# Altium PCB 4G_V4.2_5X4.PcbDoc (part 4 of 5)
Units mm, origin at the board's own origin, x right, y up, seen from the top; angles counter-clockwise.
Board outline 35.5 x 48 mm, 2 copper layers (Top Layer, Bottom Layer); 800 components, 0 nets, 5412 pads, 900 vias.
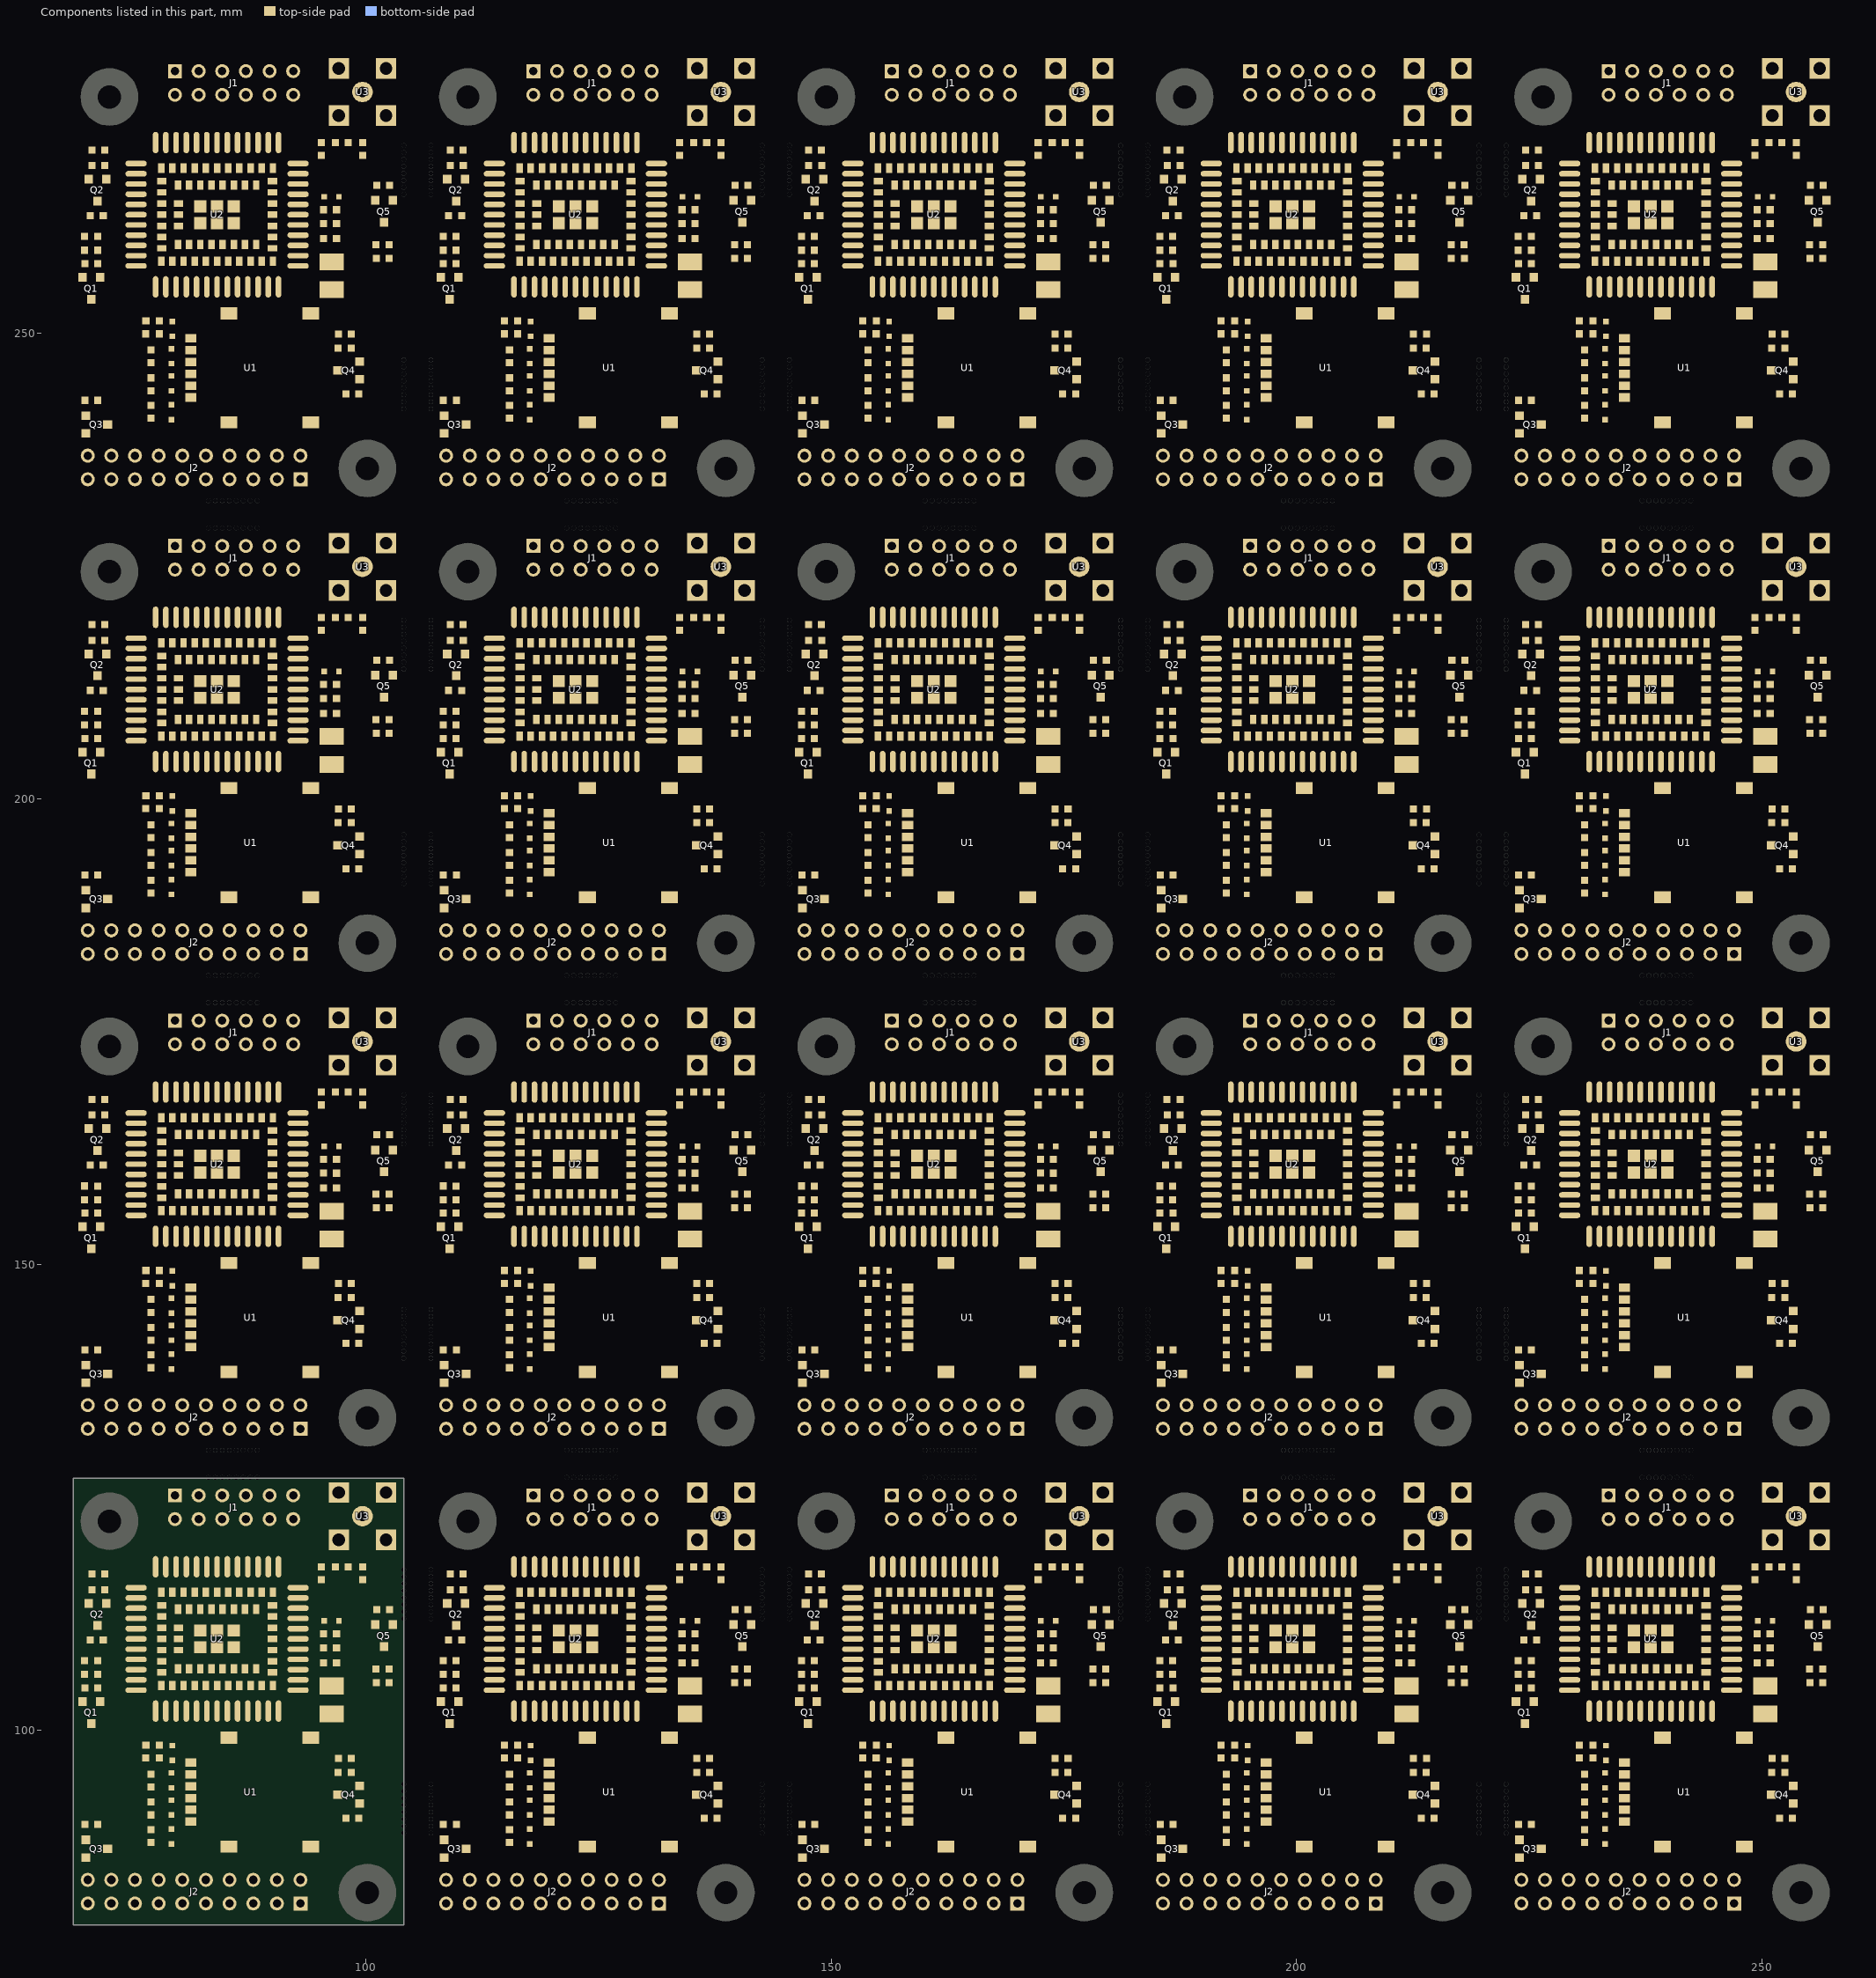
[diagram p4: the components of this part, seen from the top]

## Via types
v1: diameter 0.5, hole 0.3, Top Layer to Bottom Layer, tented both sides, 900 vias

## Nets (pads, with @x,y where several pads share a name; then routed paths per layer and width w, separated by ;. In a path a pad name is that pad's centre, name@x,y a point inside that pad or via, vN(x,y) a via of type N, cw(c..) or ccw(c..) an arc to the next point about the centre after c; other vN are vias at no path point) (continued)
copper on no net: (continued)
  Top Layer w0.3: 69.814,104.499 69.802,104.511 69.802,105.948 69.802,107.421 69.139,108.084 69.139,114.538 69.659,115.059 70.574,115.059 70.574,116.724 70.574,117.497 70.917,117.84 74.93,117.84 76.225,119.136 78.257,119.136 78.523,118.87 78.523,117.513 ; 69.814,155.499 69.802,155.511 69.802,156.948 69.802,158.421 69.139,159.084 69.139,165.538 69.659,166.059 70.574,166.059 70.574,167.724 70.574,168.497 70.917,168.84 74.93,168.84 76.225,170.136 78.257,170.136 78.523,169.87 78.523,168.513 ; 69.814,206.499 69.802,206.511 69.802,207.948 69.802,209.421 69.139,210.084 69.139,216.538 69.659,217.059 70.574,217.059 70.574,218.724 70.574,219.497 70.917,219.84 74.93,219.84 76.225,221.136 78.257,221.136 78.523,220.87 78.523,219.513 ; 69.814,257.499 69.802,257.511 69.802,258.948 69.802,260.421 69.139,261.084 69.139,267.538 69.659,268.059 70.574,268.059 70.574,269.724 70.574,270.497 70.917,270.84 74.93,270.84 76.225,272.136 78.257,272.136 78.523,271.87 78.523,270.513 ; 71.793,109.66 v1(72.871,109.66) ; 71.793,160.66 v1(72.871,160.66) ; 71.793,211.66 v1(72.871,211.66) ; 71.793,262.66 v1(72.871,262.66) ; 75.323,105.363 76.714,105.363 77.038,105.039 77.038,103.769 75.05,101.78 75.05,101.152 ; 75.323,156.363 76.714,156.363 77.038,156.039 77.038,154.769 75.05,152.78 75.05,152.152 ; 75.323,207.363 76.714,207.363 77.038,207.039 77.038,205.769 75.05,203.78 75.05,203.152 ; 75.323,258.363 76.714,258.363 77.038,258.039 77.038,256.769 75.05,254.78 75.05,254.152 ; v1@75.997,101.102 v1(76.022,101.127) 75.075,101.127 75.05,101.152 ; v1@75.997,152.102 v1(76.022,152.127) 75.075,152.127 75.05,152.152 ; v1@75.997,203.102 v1(76.022,203.127) 75.075,203.127 75.05,203.152 ; v1@75.997,254.102 v1(76.022,254.127) 75.075,254.127 75.05,254.152 ; 76.379,98.346 v1(76.379,99.271) ; 76.379,149.346 v1(76.379,150.271) ; 76.379,200.346 v1(76.379,201.271) ; 76.379,251.346 v1(76.379,252.271) ; v1(77.953,103.642) 90.551,103.642 91.008,104.099 91.008,106.055 91.417,106.463 92.723,106.463 ; v1(77.953,154.642) 90.551,154.642 91.008,155.099 91.008,157.055 91.417,157.463 92.723,157.463 ; v1(77.953,205.642) 90.551,205.642 91.008,206.099 91.008,208.055 91.417,208.463 92.723,208.463 ; v1(77.953,256.642) 90.551,256.642 91.008,257.099 91.008,259.055 91.417,259.463 92.723,259.463 ; 81.204,90.13 80.007,90.13 79.154,89.278 76.938,89.278 75.4,89.278 73.934,90.744 73.934,99.416 75.05,100.532 75.05,101.152 ; 81.204,141.13 80.007,141.13 79.154,140.278 76.938,140.278 75.4,140.278 73.934,141.744 73.934,150.416 75.05,151.532 75.05,152.152 ; 81.204,192.13 80.007,192.13 79.154,191.278 76.938,191.278 75.4,191.278 73.934,192.744 73.934,201.416 75.05,202.532 75.05,203.152 ; 81.204,243.13 80.007,243.13 79.154,242.278 76.938,242.278 75.4,242.278 73.934,243.744 73.934,252.416 75.05,253.532 75.05,254.152 ; 98.425,95.437 98.425,96.922 ; 98.425,146.437 98.425,147.922 ; 98.425,197.437 98.425,198.922 ; 98.425,248.437 98.425,249.922 ; 101.105,106.539 101.105,108.093 101.956,108.944 ; 101.105,157.539 101.105,159.093 101.956,159.944 ; 101.105,208.539 101.105,210.093 101.956,210.944 ; 101.105,259.539 101.105,261.093 101.956,261.944 ; 102.552,112.911 102.906,112.558 102.906,111.294 ; 102.552,163.911 102.906,163.558 102.906,162.294 ; 102.552,214.911 102.906,214.558 102.906,213.294 ; 102.552,265.911 102.906,265.558 102.906,264.294 ; 102.641,106.537 102.641,105.151 102.73,105.062 ; 102.641,157.537 102.641,156.151 102.73,156.062 ; 102.641,208.537 102.641,207.151 102.73,207.062 ; 102.641,259.537 102.641,258.151 102.73,258.062 ; 108.314,104.499 108.302,104.511 108.302,105.948 108.302,107.421 107.639,108.084 107.639,114.538 108.159,115.059 109.074,115.059 109.074,116.724 109.074,117.497 109.417,117.84 113.43,117.84 114.725,119.136 116.757,119.136 117.023,118.87 117.023,117.513 ; 108.314,155.499 108.302,155.511 108.302,156.948 108.302,158.421 107.639,159.084 107.639,165.538 108.159,166.059 109.074,166.059 109.074,167.724 109.074,168.497 109.417,168.84 113.43,168.84 114.725,170.136 116.757,170.136 117.023,169.87 117.023,168.513 ; 108.314,206.499 108.302,206.511 108.302,207.948 108.302,209.421 107.639,210.084 107.639,216.538 108.159,217.059 109.074,217.059 109.074,218.724 109.074,219.497 109.417,219.84 113.43,219.84 114.725,221.136 116.757,221.136 117.023,220.87 117.023,219.513 ; 108.314,257.499 108.302,257.511 108.302,258.948 108.302,260.421 107.639,261.084 107.639,267.538 108.159,268.059 109.074,268.059 109.074,269.724 109.074,270.497 109.417,270.84 113.43,270.84 114.725,272.136 116.757,272.136 117.023,271.87 117.023,270.513 ; 110.293,109.66 v1(111.371,109.66) ; 110.293,160.66 v1(111.371,160.66) ; 110.293,211.66 v1(111.371,211.66) ; 110.293,262.66 v1(111.371,262.66) ; 113.823,105.363 115.214,105.363 115.538,105.039 115.538,103.769 113.55,101.78 113.55,101.152 ; 113.823,156.363 115.214,156.363 115.538,156.039 115.538,154.769 113.55,152.78 113.55,152.152 ; 113.823,207.363 115.214,207.363 115.538,207.039 115.538,205.769 113.55,203.78 113.55,203.152 ; 113.823,258.363 115.214,258.363 115.538,258.039 115.538,256.769 113.55,254.78 113.55,254.152 ; v1@114.497,101.102 v1(114.522,101.127) 113.575,101.127 113.55,101.152 ; v1@114.497,152.102 v1(114.522,152.127) 113.575,152.127 113.55,152.152 ; v1@114.497,203.102 v1(114.522,203.127) 113.575,203.127 113.55,203.152 ; v1@114.497,254.102 v1(114.522,254.127) 113.575,254.127 113.55,254.152 ; 114.879,98.346 v1(114.879,99.271) ; 114.879,149.346 v1(114.879,150.271) ; 114.879,200.346 v1(114.879,201.271) ; 114.879,251.346 v1(114.879,252.271) ; v1(116.453,103.642) 129.051,103.642 129.508,104.099 129.508,106.055 129.917,106.463 131.223,106.463 ; v1(116.453,154.642) 129.051,154.642 129.508,155.099 129.508,157.055 129.917,157.463 131.223,157.463 ; v1(116.453,205.642) 129.051,205.642 129.508,206.099 129.508,208.055 129.917,208.463 131.223,208.463 ; v1(116.453,256.642) 129.051,256.642 129.508,257.099 129.508,259.055 129.917,259.463 131.223,259.463 ; 119.704,90.13 118.507,90.13 117.654,89.278 115.438,89.278 113.9,89.278 112.434,90.744 112.434,99.416 113.55,100.532 113.55,101.152 ; 119.704,141.13 118.507,141.13 117.654,140.278 115.438,140.278 113.9,140.278 112.434,141.744 112.434,150.416 113.55,151.532 113.55,152.152 ; 119.704,192.13 118.507,192.13 117.654,191.278 115.438,191.278 113.9,191.278 112.434,192.744 112.434,201.416 113.55,202.532 113.55,203.152 ; 119.704,243.13 118.507,243.13 117.654,242.278 115.438,242.278 113.9,242.278 112.434,243.744 112.434,252.416 113.55,253.532 113.55,254.152 ; 136.925,95.437 136.925,96.922 ; 136.925,146.437 136.925,147.922 ; 136.925,197.437 136.925,198.922 ; 136.925,248.437 136.925,249.922 ; 139.605,106.539 139.605,108.093 140.456,108.944 ; 139.605,157.539 139.605,159.093 140.456,159.944 ; 139.605,208.539 139.605,210.093 140.456,210.944 ; 139.605,259.539 139.605,261.093 140.456,261.944 ; 141.052,112.911 141.406,112.558 141.406,111.294 ; 141.052,163.911 141.406,163.558 141.406,162.294 ; 141.052,214.911 141.406,214.558 141.406,213.294 ; 141.052,265.911 141.406,265.558 141.406,264.294 ; 141.141,106.537 141.141,105.151 141.23,105.062 ; 141.141,157.537 141.141,156.151 141.23,156.062 ; 141.141,208.537 141.141,207.151 141.23,207.062 ; 141.141,259.537 141.141,258.151 141.23,258.062 ; 146.814,104.499 146.802,104.511 146.802,105.948 146.802,107.421 146.139,108.084 146.139,114.538 146.659,115.059 147.574,115.059 147.574,116.724 147.574,117.497 147.917,117.84 151.93,117.84 153.225,119.136 155.257,119.136 155.523,118.87 155.523,117.513 ; 146.814,155.499 146.802,155.511 146.802,156.948 146.802,158.421 146.139,159.084 146.139,165.538 146.659,166.059 147.574,166.059 147.574,167.724 147.574,168.497 147.917,168.84 151.93,168.84 153.225,170.136 155.257,170.136 155.523,169.87 155.523,168.513 ; 146.814,206.499 146.802,206.511 146.802,207.948 146.802,209.421 146.139,210.084 146.139,216.538 146.659,217.059 147.574,217.059 147.574,218.724 147.574,219.497 147.917,219.84 151.93,219.84 153.225,221.136 155.257,221.136 155.523,220.87 155.523,219.513 ; 146.814,257.499 146.802,257.511 146.802,258.948 146.802,260.421 146.139,261.084 146.139,267.538 146.659,268.059 147.574,268.059 147.574,269.724 147.574,270.497 147.917,270.84 151.93,270.84 153.225,272.136 155.257,272.136 155.523,271.87 155.523,270.513 ; 148.793,109.66 v1(149.871,109.66) ; 148.793,160.66 v1(149.871,160.66) ; 148.793,211.66 v1(149.871,211.66) ; 148.793,262.66 v1(149.871,262.66) ; 152.323,105.363 153.714,105.363 154.038,105.039 154.038,103.769 152.05,101.78 152.05,101.152 ; 152.323,156.363 153.714,156.363 154.038,156.039 154.038,154.769 152.05,152.78 152.05,152.152 ; 152.323,207.363 153.714,207.363 154.038,207.039 154.038,205.769 152.05,203.78 152.05,203.152 ; 152.323,258.363 153.714,258.363 154.038,258.039 154.038,256.769 152.05,254.78 152.05,254.152 ; v1@152.997,101.102 v1(153.022,101.127) 152.075,101.127 152.05,101.152 ; v1@152.997,152.102 v1(153.022,152.127) 152.075,152.127 152.05,152.152 ; v1@152.997,203.102 v1(153.022,203.127) 152.075,203.127 152.05,203.152 ; v1@152.997,254.102 v1(153.022,254.127) 152.075,254.127 152.05,254.152 ; 153.379,98.346 v1(153.379,99.271) ; 153.379,149.346 v1(153.379,150.271) ; 153.379,200.346 v1(153.379,201.271) ; 153.379,251.346 v1(153.379,252.271) ; v1(154.953,103.642) 167.551,103.642 168.008,104.099 168.008,106.055 168.417,106.463 169.723,106.463 ; v1(154.953,154.642) 167.551,154.642 168.008,155.099 168.008,157.055 168.417,157.463 169.723,157.463 ; v1(154.953,205.642) 167.551,205.642 168.008,206.099 168.008,208.055 168.417,208.463 169.723,208.463 ; v1(154.953,256.642) 167.551,256.642 168.008,257.099 168.008,259.055 168.417,259.463 169.723,259.463 ; 158.204,90.13 157.007,90.13 156.154,89.278 153.938,89.278 152.4,89.278 150.934,90.744 150.934,99.416 152.05,100.532 152.05,101.152 ; 158.204,141.13 157.007,141.13 156.154,140.278 153.938,140.278 152.4,140.278 150.934,141.744 150.934,150.416 152.05,151.532 152.05,152.152 ; 158.204,192.13 157.007,192.13 156.154,191.278 153.938,191.278 152.4,191.278 150.934,192.744 150.934,201.416 152.05,202.532 152.05,203.152 ; 158.204,243.13 157.007,243.13 156.154,242.278 153.938,242.278 152.4,242.278 150.934,243.744 150.934,252.416 152.05,253.532 152.05,254.152 ; 175.425,95.437 175.425,96.922 ; 175.425,146.437 175.425,147.922 ; 175.425,197.437 175.425,198.922 ; 175.425,248.437 175.425,249.922 ; 178.105,106.539 178.105,108.093 178.956,108.944 ; 178.105,157.539 178.105,159.093 178.956,159.944 ; 178.105,208.539 178.105,210.093 178.956,210.944 ; 178.105,259.539 178.105,261.093 178.956,261.944 ; 179.552,112.911 179.906,112.558 179.906,111.294 ; 179.552,163.911 179.906,163.558 179.906,162.294 ; 179.552,214.911 179.906,214.558 179.906,213.294 ; 179.552,265.911 179.906,265.558 179.906,264.294 ; 179.641,106.537 179.641,105.151 179.73,105.062 ; 179.641,157.537 179.641,156.151 179.73,156.062 ; 179.641,208.537 179.641,207.151 179.73,207.062 ; 179.641,259.537 179.641,258.151 179.73,258.062 ; 185.314,104.499 185.302,104.511 185.302,105.948 185.302,107.421 184.639,108.084 184.639,114.538 185.159,115.059 186.074,115.059 186.074,116.724 186.074,117.497 186.417,117.84 190.43,117.84 191.725,119.136 193.757,119.136 194.023,118.87 194.023,117.513 ; 185.314,155.499 185.302,155.511 185.302,156.948 185.302,158.421 184.639,159.084 184.639,165.538 185.159,166.059 186.074,166.059 186.074,167.724 186.074,168.497 186.417,168.84 190.43,168.84 191.725,170.136 193.757,170.136 194.023,169.87 194.023,168.513 ; 185.314,206.499 185.302,206.511 185.302,207.948 185.302,209.421 184.639,210.084 184.639,216.538 185.159,217.059 186.074,217.059 186.074,218.724 186.074,219.497 186.417,219.84 190.43,219.84 191.725,221.136 193.757,221.136 194.023,220.87 194.023,219.513 ; 185.314,257.499 185.302,257.511 185.302,258.948 185.302,260.421 184.639,261.084 184.639,267.538 185.159,268.059 186.074,268.059 186.074,269.724 186.074,270.497 186.417,270.84 190.43,270.84 191.725,272.136 193.757,272.136 194.023,271.87 194.023,270.513 ; 187.293,109.66 v1(188.371,109.66) ; 187.293,160.66 v1(188.371,160.66) ; 187.293,211.66 v1(188.371,211.66) ; 187.293,262.66 v1(188.371,262.66) ; 190.823,105.363 192.214,105.363 192.538,105.039 192.538,103.769 190.55,101.78 190.55,101.152 ; 190.823,156.363 192.214,156.363 192.538,156.039 192.538,154.769 190.55,152.78 190.55,152.152 ; 190.823,207.363 192.214,207.363 192.538,207.039 192.538,205.769 190.55,203.78 190.55,203.152 ; 190.823,258.363 192.214,258.363 192.538,258.039 192.538,256.769 190.55,254.78 190.55,254.152 ; v1@191.497,101.102 v1(191.522,101.127) 190.575,101.127 190.55,101.152 ; v1@191.497,152.102 v1(191.522,152.127) 190.575,152.127 190.55,152.152 ; v1@191.497,203.102 v1(191.522,203.127) 190.575,203.127 190.55,203.152 ; v1@191.497,254.102 v1(191.522,254.127) 190.575,254.127 190.55,254.152 ; 191.879,98.346 v1(191.879,99.271) ; 191.879,149.346 v1(191.879,150.271) ; 191.879,200.346 v1(191.879,201.271) ; 191.879,251.346 v1(191.879,252.271) ; v1(193.453,103.642) 206.051,103.642 206.508,104.099 206.508,106.055 206.917,106.463 208.223,106.463 ; v1(193.453,154.642) 206.051,154.642 206.508,155.099 206.508,157.055 206.917,157.463 208.223,157.463 ; v1(193.453,205.642) 206.051,205.642 206.508,206.099 206.508,208.055 206.917,208.463 208.223,208.463 ; v1(193.453,256.642) 206.051,256.642 206.508,257.099 206.508,259.055 206.917,259.463 208.223,259.463 ; 196.704,90.13 195.507,90.13 194.654,89.278 192.438,89.278 190.9,89.278 189.434,90.744 189.434,99.416 190.55,100.532 190.55,101.152 ; 196.704,141.13 195.507,141.13 194.654,140.278 192.438,140.278 190.9,140.278 189.434,141.744 189.434,150.416 190.55,151.532 190.55,152.152 ; 196.704,192.13 195.507,192.13 194.654,191.278 192.438,191.278 190.9,191.278 189.434,192.744 189.434,201.416 190.55,202.532 190.55,203.152 ; 196.704,243.13 195.507,243.13 194.654,242.278 192.438,242.278 190.9,242.278 189.434,243.744 189.434,252.416 190.55,253.532 190.55,254.152 ; 213.925,95.437 213.925,96.922 ; 213.925,146.437 213.925,147.922 ; 213.925,197.437 213.925,198.922 ; 213.925,248.437 213.925,249.922 ; 216.605,106.539 216.605,108.093 217.456,108.944 ; 216.605,157.539 216.605,159.093 217.456,159.944 ; 216.605,208.539 216.605,210.093 217.456,210.944 ; 216.605,259.539 216.605,261.093 217.456,261.944 ; 218.052,112.911 218.406,112.558 218.406,111.294 ; 218.052,163.911 218.406,163.558 218.406,162.294 ; 218.052,214.911 218.406,214.558 218.406,213.294 ; 218.052,265.911 218.406,265.558 218.406,264.294 ; 218.141,106.537 218.141,105.151 218.23,105.062 ; 218.141,157.537 218.141,156.151 218.23,156.062 ; 218.141,208.537 218.141,207.151 218.23,207.062 ; 218.141,259.537 218.141,258.151 218.23,258.062 ; 223.814,104.499 223.802,104.511 223.802,105.948 223.802,107.421 223.139,108.084 223.139,114.538 223.659,115.059 224.574,115.059 224.574,116.724 224.574,117.497 224.917,117.84 228.93,117.84 230.225,119.136 232.257,119.136 232.523,118.87 232.523,117.513 ; 223.814,155.499 223.802,155.511 223.802,156.948 223.802,158.421 223.139,159.084 223.139,165.538 223.659,166.059 224.574,166.059 224.574,167.724 224.574,168.497 224.917,168.84 228.93,168.84 230.225,170.136 232.257,170.136 232.523,169.87 232.523,168.513 ; 223.814,206.499 223.802,206.511 223.802,207.948 223.802,209.421 223.139,210.084 223.139,216.538 223.659,217.059 224.574,217.059 224.574,218.724 224.574,219.497 224.917,219.84 228.93,219.84 230.225,221.136 232.257,221.136 232.523,220.87 232.523,219.513 ; 223.814,257.499 223.802,257.511 223.802,258.948 223.802,260.421 223.139,261.084 223.139,267.538 223.659,268.059 224.574,268.059 224.574,269.724 224.574,270.497 224.917,270.84 228.93,270.84 230.225,272.136 232.257,272.136 232.523,271.87 232.523,270.513 ; 225.793,109.66 v1(226.871,109.66) ; 225.793,160.66 v1(226.871,160.66) ; 225.793,211.66 v1(226.871,211.66) ; 225.793,262.66 v1(226.871,262.66) ; 229.323,105.363 230.714,105.363 231.038,105.039 231.038,103.769 229.05,101.78 229.05,101.152 ; 229.323,156.363 230.714,156.363 231.038,156.039 231.038,154.769 229.05,152.78 229.05,152.152 ; 229.323,207.363 230.714,207.363 231.038,207.039 231.038,205.769 229.05,203.78 229.05,203.152 ; 229.323,258.363 230.714,258.363 231.038,258.039 231.038,256.769 229.05,254.78 229.05,254.152 ; v1@229.997,101.102 v1(230.022,101.127) 229.075,101.127 229.05,101.152 ; v1@229.997,152.102 v1(230.022,152.127) 229.075,152.127 229.05,152.152 ; v1@229.997,203.102 v1(230.022,203.127) 229.075,203.127 229.05,203.152 ; v1@229.997,254.102 v1(230.022,254.127) 229.075,254.127 229.05,254.152 ; 230.379,98.346 v1(230.379,99.271) ; 230.379,149.346 v1(230.379,150.271) ; 230.379,200.346 v1(230.379,201.271) ; 230.379,251.346 v1(230.379,252.271) ; v1(231.953,103.642) 244.551,103.642 245.008,104.099 245.008,106.055 245.417,106.463 246.723,106.463 ; v1(231.953,154.642) 244.551,154.642 245.008,155.099 245.008,157.055 245.417,157.463 246.723,157.463 ; v1(231.953,205.642) 244.551,205.642 245.008,206.099 245.008,208.055 245.417,208.463 246.723,208.463 ; v1(231.953,256.642) 244.551,256.642 245.008,257.099 245.008,259.055 245.417,259.463 246.723,259.463 ; 235.204,90.13 234.007,90.13 233.154,89.278 230.938,89.278 229.4,89.278 227.934,90.744 227.934,99.416 229.05,100.532 229.05,101.152 ; 235.204,141.13 234.007,141.13 233.154,140.278 230.938,140.278 229.4,140.278 227.934,141.744 227.934,150.416 229.05,151.532 229.05,152.152 ; 235.204,192.13 234.007,192.13 233.154,191.278 230.938,191.278 229.4,191.278 227.934,192.744 227.934,201.416 229.05,202.532 229.05,203.152 ; 235.204,243.13 234.007,243.13 233.154,242.278 230.938,242.278 229.4,242.278 227.934,243.744 227.934,252.416 229.05,253.532 229.05,254.152 ; 252.425,95.437 252.425,96.922 ; 252.425,146.437 252.425,147.922 ; 252.425,197.437 252.425,198.922 ; 252.425,248.437 252.425,249.922 ; 255.105,106.539 255.105,108.093 255.956,108.944 ; 255.105,157.539 255.105,159.093 255.956,159.944 ; 255.105,208.539 255.105,210.093 255.956,210.944 ; 255.105,259.539 255.105,261.093 255.956,261.944 ; 256.552,112.911 256.906,112.558 256.906,111.294 ; 256.552,163.911 256.906,163.558 256.906,162.294 ; 256.552,214.911 256.906,214.558 256.906,213.294 ; 256.552,265.911 256.906,265.558 256.906,264.294 ; 256.641,106.537 256.641,105.151 256.73,105.062 ; 256.641,157.537 256.641,156.151 256.73,156.062 ; 256.641,208.537 256.641,207.151 256.73,207.062 ; 256.641,259.537 256.641,258.151 256.73,258.062
  Top Layer w0.5: 90.623,117.513 96.736,117.513 ; 90.623,168.513 96.736,168.513 ; 90.623,219.513 96.736,219.513 ; 90.623,270.513 96.736,270.513 ; 97.053,96.936 97.053,98.079 97.638,98.663 101.592,98.663 ; 97.053,147.936 97.053,149.079 97.638,149.663 101.592,149.663 ; 97.053,198.936 97.053,200.079 97.638,200.663 101.592,200.663 ; 97.053,249.936 97.053,251.079 97.638,251.663 101.592,251.663 ; 98.12,117.508 98.122,117.51 99.67,117.51 99.644,117.535 99.644,122.946 ; 98.12,168.508 98.122,168.51 99.67,168.51 99.644,168.535 99.644,173.946 ; 98.12,219.508 98.122,219.51 99.67,219.51 99.644,219.535 99.644,224.946 ; 98.12,270.508 98.122,270.51 99.67,270.51 99.644,270.535 99.644,275.946 ; 98.425,96.922 98.438,96.934 ; 98.425,147.922 98.438,147.934 ; 98.425,198.922 98.438,198.934 ; 98.425,249.922 98.438,249.934 ; 129.123,117.513 135.236,117.513 ; 129.123,168.513 135.236,168.513 ; 129.123,219.513 135.236,219.513 ; 129.123,270.513 135.236,270.513 ; 135.553,96.936 135.553,98.079 136.138,98.663 140.092,98.663 ; 135.553,147.936 135.553,149.079 136.138,149.663 140.092,149.663 ; 135.553,198.936 135.553,200.079 136.138,200.663 140.092,200.663 ; 135.553,249.936 135.553,251.079 136.138,251.663 140.092,251.663 ; 136.62,117.508 136.622,117.51 138.17,117.51 138.144,117.535 138.144,122.946 ; 136.62,168.508 136.622,168.51 138.17,168.51 138.144,168.535 138.144,173.946 ; 136.62,219.508 136.622,219.51 138.17,219.51 138.144,219.535 138.144,224.946 ; 136.62,270.508 136.622,270.51 138.17,270.51 138.144,270.535 138.144,275.946 ; 136.925,96.922 136.938,96.934 ; 136.925,147.922 136.938,147.934 ; 136.925,198.922 136.938,198.934 ; 136.925,249.922 136.938,249.934 ; 167.623,117.513 173.736,117.513 ; 167.623,168.513 173.736,168.513 ; 167.623,219.513 173.736,219.513 ; 167.623,270.513 173.736,270.513 ; 174.053,96.936 174.053,98.079 174.638,98.663 178.592,98.663 ; 174.053,147.936 174.053,149.079 174.638,149.663 178.592,149.663 ; 174.053,198.936 174.053,200.079 174.638,200.663 178.592,200.663 ; 174.053,249.936 174.053,251.079 174.638,251.663 178.592,251.663 ; 175.12,117.508 175.122,117.51 176.67,117.51 176.644,117.535 176.644,122.946 ; 175.12,168.508 175.122,168.51 176.67,168.51 176.644,168.535 176.644,173.946 ; 175.12,219.508 175.122,219.51 176.67,219.51 176.644,219.535 176.644,224.946 ; 175.12,270.508 175.122,270.51 176.67,270.51 176.644,270.535 176.644,275.946 ; 175.425,96.922 175.438,96.934 ; 175.425,147.922 175.438,147.934 ; 175.425,198.922 175.438,198.934 ; 175.425,249.922 175.438,249.934 ; 206.123,117.513 212.236,117.513 ; 206.123,168.513 212.236,168.513 ; 206.123,219.513 212.236,219.513 ; 206.123,270.513 212.236,270.513 ; 212.553,96.936 212.553,98.079 213.138,98.663 217.092,98.663 ; 212.553,147.936 212.553,149.079 213.138,149.663 217.092,149.663 ; 212.553,198.936 212.553,200.079 213.138,200.663 217.092,200.663 ; 212.553,249.936 212.553,251.079 213.138,251.663 217.092,251.663 ; 213.62,117.508 213.622,117.51 215.17,117.51 215.144,117.535 215.144,122.946 ; 213.62,168.508 213.622,168.51 215.17,168.51 215.144,168.535 215.144,173.946 ; 213.62,219.508 213.622,219.51 215.17,219.51 215.144,219.535 215.144,224.946 ; 213.62,270.508 213.622,270.51 215.17,270.51 215.144,270.535 215.144,275.946 ; 213.925,96.922 213.938,96.934 ; 213.925,147.922 213.938,147.934 ; 213.925,198.922 213.938,198.934 ; 213.925,249.922 213.938,249.934 ; 244.623,117.513 250.736,117.513 ; 244.623,168.513 250.736,168.513 ; 244.623,219.513 250.736,219.513 ; 244.623,270.513 250.736,270.513 ; 251.053,96.936 251.053,98.079 251.638,98.663 255.592,98.663 ; 251.053,147.936 251.053,149.079 251.638,149.663 255.592,149.663 ; 251.053,198.936 251.053,200.079 251.638,200.663 255.592,200.663 ; 251.053,249.936 251.053,251.079 251.638,251.663 255.592,251.663 ; 252.12,117.508 252.122,117.51 253.67,117.51 253.644,117.535 253.644,122.946 ; 252.12,168.508 252.122,168.51 253.67,168.51 253.644,168.535 253.644,173.946 ; 252.12,219.508 252.122,219.51 253.67,219.51 253.644,219.535 253.644,224.946 ; 252.12,270.508 252.122,270.51 253.67,270.51 253.644,270.535 253.644,275.946 ; 252.425,96.922 252.438,96.934 ; 252.425,147.922 252.438,147.934 ; 252.425,198.922 252.438,198.934 ; 252.425,249.922 252.438,249.934
  Top Layer w0.7: 95.471,110.296 95.471,108.798 95.471,107.198 95.471,105.554 96.317,104.708 ; 95.471,161.296 95.471,159.798 95.471,158.198 95.471,156.554 96.317,155.708 ; 95.471,212.296 95.471,210.798 95.471,209.198 95.471,207.554 96.317,206.708 ; 95.471,263.296 95.471,261.798 95.471,260.198 95.471,258.554 96.317,257.708 ; 133.971,110.296 133.971,108.798 133.971,107.198 133.971,105.554 134.817,104.708 ; 133.971,161.296 133.971,159.798 133.971,158.198 133.971,156.554 134.817,155.708 ; 133.971,212.296 133.971,210.798 133.971,209.198 133.971,207.554 134.817,206.708 ; 133.971,263.296 133.971,261.798 133.971,260.198 133.971,258.554 134.817,257.708 ; 172.471,110.296 172.471,108.798 172.471,107.198 172.471,105.554 173.317,104.708 ; 172.471,161.296 172.471,159.798 172.471,158.198 172.471,156.554 173.317,155.708 ; 172.471,212.296 172.471,210.798 172.471,209.198 172.471,207.554 173.317,206.708 ; 172.471,263.296 172.471,261.798 172.471,260.198 172.471,258.554 173.317,257.708 ; 210.971,110.296 210.971,108.798 210.971,107.198 210.971,105.554 211.817,104.708 ; 210.971,161.296 210.971,159.798 210.971,158.198 210.971,156.554 211.817,155.708 ; 210.971,212.296 210.971,210.798 210.971,209.198 210.971,207.554 211.817,206.708 ; 210.971,263.296 210.971,261.798 210.971,260.198 210.971,258.554 211.817,257.708 ; 249.471,110.296 249.471,108.798 249.471,107.198 249.471,105.554 250.317,104.708 ; 249.471,161.296 249.471,159.798 249.471,158.198 249.471,156.554 250.317,155.708 ; 249.471,212.296 249.471,210.798 249.471,209.198 249.471,207.554 250.317,206.708 ; 249.471,263.296 249.471,261.798 249.471,260.198 249.471,258.554 250.317,257.708
  Top Layer w1: 92.989,81.34 90.449,81.34 90.449,83.88 92.989,83.88 94.818,83.88 98.704,87.767 100.22,87.767 101.592,89.139 101.592,98.663 101.592,103.903 100.787,104.708 96.317,104.708 ; 92.989,132.34 90.449,132.34 90.449,134.88 92.989,134.88 94.818,134.88 98.704,138.767 100.22,138.767 101.592,140.139 101.592,149.663 101.592,154.903 100.787,155.708 96.317,155.708 ; 92.989,183.34 90.449,183.34 90.449,185.88 92.989,185.88 94.818,185.88 98.704,189.767 100.22,189.767 101.592,191.139 101.592,200.663 101.592,205.903 100.787,206.708 96.317,206.708 ; 92.989,234.34 90.449,234.34 90.449,236.88 92.989,236.88 94.818,236.88 98.704,240.767 100.22,240.767 101.592,242.139 101.592,251.663 101.592,256.903 100.787,257.708 96.317,257.708 ; 131.489,81.34 128.949,81.34 128.949,83.88 131.489,83.88 133.318,83.88 137.204,87.767 138.72,87.767 140.092,89.139 140.092,98.663 140.092,103.903 139.287,104.708 134.817,104.708 ; 131.489,132.34 128.949,132.34 128.949,134.88 131.489,134.88 133.318,134.88 137.204,138.767 138.72,138.767 140.092,140.139 140.092,149.663 140.092,154.903 139.287,155.708 134.817,155.708 ; 131.489,183.34 128.949,183.34 128.949,185.88 131.489,185.88 133.318,185.88 137.204,189.767 138.72,189.767 140.092,191.139 140.092,200.663 140.092,205.903 139.287,206.708 134.817,206.708 ; 131.489,234.34 128.949,234.34 128.949,236.88 131.489,236.88 133.318,236.88 137.204,240.767 138.72,240.767 140.092,242.139 140.092,251.663 140.092,256.903 139.287,257.708 134.817,257.708 ; 169.989,81.34 167.449,81.34 167.449,83.88 169.989,83.88 171.818,83.88 175.704,87.767 177.22,87.767 178.592,89.139 178.592,98.663 178.592,103.903 177.787,104.708 173.317,104.708 ; 169.989,132.34 167.449,132.34 167.449,134.88 169.989,134.88 171.818,134.88 175.704,138.767 177.22,138.767 178.592,140.139 178.592,149.663 178.592,154.903 177.787,155.708 173.317,155.708 ; 169.989,183.34 167.449,183.34 167.449,185.88 169.989,185.88 171.818,185.88 175.704,189.767 177.22,189.767 178.592,191.139 178.592,200.663 178.592,205.903 177.787,206.708 173.317,206.708 ; 169.989,234.34 167.449,234.34 167.449,236.88 169.989,236.88 171.818,236.88 175.704,240.767 177.22,240.767 178.592,242.139 178.592,251.663 178.592,256.903 177.787,257.708 173.317,257.708 ; 208.489,81.34 205.949,81.34 205.949,83.88 208.489,83.88 210.318,83.88 214.204,87.767 215.72,87.767 217.092,89.139 217.092,98.663 217.092,103.903 216.287,104.708 211.817,104.708 ; 208.489,132.34 205.949,132.34 205.949,134.88 208.489,134.88 210.318,134.88 214.204,138.767 215.72,138.767 217.092,140.139 217.092,149.663 217.092,154.903 216.287,155.708 211.817,155.708 ; 208.489,183.34 205.949,183.34 205.949,185.88 208.489,185.88 210.318,185.88 214.204,189.767 215.72,189.767 217.092,191.139 217.092,200.663 217.092,205.903 216.287,206.708 211.817,206.708 ; 208.489,234.34 205.949,234.34 205.949,236.88 208.489,236.88 210.318,236.88 214.204,240.767 215.72,240.767 217.092,242.139 217.092,251.663 217.092,256.903 216.287,257.708 211.817,257.708 ; 246.989,81.34 244.449,81.34 244.449,83.88 246.989,83.88 248.818,83.88 252.704,87.767 254.22,87.767 255.592,89.139 255.592,98.663 255.592,103.903 254.787,104.708 250.317,104.708 ; 246.989,132.34 244.449,132.34 244.449,134.88 246.989,134.88 248.818,134.88 252.704,138.767 254.22,138.767 255.592,140.139 255.592,149.663 255.592,154.903 254.787,155.708 250.317,155.708 ; 246.989,183.34 244.449,183.34 244.449,185.88 246.989,185.88 248.818,185.88 252.704,189.767 254.22,189.767 255.592,191.139 255.592,200.663 255.592,205.903 254.787,206.708 250.317,206.708 ; 246.989,234.34 244.449,234.34 244.449,236.88 246.989,236.88 248.818,236.88 252.704,240.767 254.22,240.767 255.592,242.139 255.592,251.663 255.592,256.903 254.787,257.708 250.317,257.708
  Bottom Layer w0.254: v1(70.409,108.696) 71.603,108.696 v1(72.873,107.426) ; v1(70.409,159.696) 71.603,159.696 v1(72.873,158.426) ; v1(70.409,210.696) 71.603,210.696 v1(72.873,209.426) ; v1(70.409,261.696) 71.603,261.696 v1(72.873,260.426) ; v1(74.016,86.192) v1(77.191,86.192) ; v1(74.016,137.192) v1(77.191,137.192) ; v1(74.016,188.192) v1(77.191,188.192) ; v1(74.016,239.192) v1(77.191,239.192) ; v1(74.625,95.26) v1(75.921,95.26) ; v1(74.625,146.26) v1(75.921,146.26) ; v1(74.625,197.26) v1(75.921,197.26) ; v1(74.625,248.26) v1(75.921,248.26) ; v1(81.077,86.827) 82.067,86.827 v1(82.728,86.166) ; v1(81.077,137.827) 82.067,137.827 v1(82.728,137.166) ; v1(81.077,188.827) 82.067,188.827 v1(82.728,188.166) ; v1(81.077,239.827) 82.067,239.827 v1(82.728,239.166) ; v1(88.392,119.466) 88.392,116.265 89.814,114.843 v1(94.513,114.843) ; v1(88.392,170.466) 88.392,167.265 89.814,165.843 v1(94.513,165.843) ; v1(88.392,221.466) 88.392,218.265 89.814,216.843 v1(94.513,216.843) ; v1(88.392,272.466) 88.392,269.265 89.814,267.843 v1(94.513,267.843) ; v1(108.909,108.696) 110.103,108.696 v1(111.373,107.426) ; v1(108.909,159.696) 110.103,159.696 v1(111.373,158.426) ; v1(108.909,210.696) 110.103,210.696 v1(111.373,209.426) ; v1(108.909,261.696) 110.103,261.696 v1(111.373,260.426) ; v1(112.516,86.192) v1(115.691,86.192) ; v1(112.516,137.192) v1(115.691,137.192) ; v1(112.516,188.192) v1(115.691,188.192) ; v1(112.516,239.192) v1(115.691,239.192) ; v1(113.125,95.26) v1(114.421,95.26) ; v1(113.125,146.26) v1(114.421,146.26) ; v1(113.125,197.26) v1(114.421,197.26) ; v1(113.125,248.26) v1(114.421,248.26) ; v1(119.577,86.827) 120.567,86.827 v1(121.228,86.166) ; v1(119.577,137.827) 120.567,137.827 v1(121.228,137.166) ; v1(119.577,188.827) 120.567,188.827 v1(121.228,188.166) ; v1(119.577,239.827) 120.567,239.827 v1(121.228,239.166) ; v1(126.892,119.466) 126.892,116.265 128.314,114.843 v1(133.013,114.843) ; v1(126.892,170.466) 126.892,167.265 128.314,165.843 v1(133.013,165.843) ; v1(126.892,221.466) 126.892,218.265 128.314,216.843 v1(133.013,216.843) ; v1(126.892,272.466) 126.892,269.265 128.314,267.843 v1(133.013,267.843) ; v1(147.409,108.696) 148.603,108.696 v1(149.873,107.426) ; v1(147.409,159.696) 148.603,159.696 v1(149.873,158.426) ; v1(147.409,210.696) 148.603,210.696 v1(149.873,209.426) ; v1(147.409,261.696) 148.603,261.696 v1(149.873,260.426) ; v1(151.016,86.192) v1(154.191,86.192) ; v1(151.016,137.192) v1(154.191,137.192) ; v1(151.016,188.192) v1(154.191,188.192) ; v1(151.016,239.192) v1(154.191,239.192) ; v1(151.625,95.26) v1(152.921,95.26) ; v1(151.625,146.26) v1(152.921,146.26) ; v1(151.625,197.26) v1(152.921,197.26) ; v1(151.625,248.26) v1(152.921,248.26) ; v1(158.077,86.827) 159.067,86.827 v1(159.728,86.166) ; v1(158.077,137.827) 159.067,137.827 v1(159.728,137.166) ; v1(158.077,188.827) 159.067,188.827 v1(159.728,188.166) ; v1(158.077,239.827) 159.067,239.827 v1(159.728,239.166) ; v1(165.392,119.466) 165.392,116.265 166.814,114.843 v1(171.513,114.843) ; v1(165.392,170.466) 165.392,167.265 166.814,165.843 v1(171.513,165.843) ; v1(165.392,221.466) 165.392,218.265 166.814,216.843 v1(171.513,216.843) ; v1(165.392,272.466) 165.392,269.265 166.814,267.843 v1(171.513,267.843) ; v1(185.909,108.696) 187.103,108.696 v1(188.373,107.426) ; v1(185.909,159.696) 187.103,159.696 v1(188.373,158.426) ; v1(185.909,210.696) 187.103,210.696 v1(188.373,209.426) ; v1(185.909,261.696) 187.103,261.696 v1(188.373,260.426) ; v1(189.516,86.192) v1(192.691,86.192) ; v1(189.516,137.192) v1(192.691,137.192) ; v1(189.516,188.192) v1(192.691,188.192) ; v1(189.516,239.192) v1(192.691,239.192) ; v1(190.125,95.26) v1(191.421,95.26) ; v1(190.125,146.26) v1(191.421,146.26) ; v1(190.125,197.26) v1(191.421,197.26) ; v1(190.125,248.26) v1(191.421,248.26) ; v1(196.577,86.827) 197.567,86.827 v1(198.228,86.166) ; v1(196.577,137.827) 197.567,137.827 v1(198.228,137.166) ; v1(196.577,188.827) 197.567,188.827 v1(198.228,188.166) ; v1(196.577,239.827) 197.567,239.827 v1(198.228,239.166) ; v1(203.892,119.466) 203.892,116.265 205.314,114.843 v1(210.013,114.843) ; v1(203.892,170.466) 203.892,167.265 205.314,165.843 v1(210.013,165.843) ; v1(203.892,221.466) 203.892,218.265 205.314,216.843 v1(210.013,216.843) ; v1(203.892,272.466) 203.892,269.265 205.314,267.843 v1(210.013,267.843) ; v1(224.409,108.696) 225.603,108.696 v1(226.873,107.426) ; v1(224.409,159.696) 225.603,159.696 v1(226.873,158.426) ; v1(224.409,210.696) 225.603,210.696 v1(226.873,209.426) ; v1(224.409,261.696) 225.603,261.696 v1(226.873,260.426) ; v1(228.016,86.192) v1(231.191,86.192) ; v1(228.016,137.192) v1(231.191,137.192) ; v1(228.016,188.192) v1(231.191,188.192) ; v1(228.016,239.192) v1(231.191,239.192) ; v1(228.625,95.26) v1(229.921,95.26) ; v1(228.625,146.26) v1(229.921,146.26) ; v1(228.625,197.26) v1(229.921,197.26) ; v1(228.625,248.26) v1(229.921,248.26) ; v1(235.077,86.827) 236.067,86.827 v1(236.728,86.166) ; v1(235.077,137.827) 236.067,137.827 v1(236.728,137.166) ; v1(235.077,188.827) 236.067,188.827 v1(236.728,188.166) ; v1(235.077,239.827) 236.067,239.827 v1(236.728,239.166) ; v1(242.392,119.466) 242.392,116.265 243.814,114.843 v1(248.513,114.843) ; v1(242.392,170.466) 242.392,167.265 243.814,165.843 v1(248.513,165.843) ; v1(242.392,221.466) 242.392,218.265 243.814,216.843 v1(248.513,216.843) ; v1(242.392,272.466) 242.392,269.265 243.814,267.843 v1(248.513,267.843)
  Bottom Layer w0.3: v1(72.871,109.66) 77.953,104.578 v1(77.953,103.642) ; v1(72.871,160.66) 77.953,155.578 v1(77.953,154.642) ; v1(72.871,211.66) 77.953,206.578 v1(77.953,205.642) ; v1(72.871,262.66) 77.953,257.578 v1(77.953,256.642) ; v1(76.022,101.127) 76.379,100.77 v1(76.379,99.271) ; v1(76.022,152.127) 76.379,151.77 v1(76.379,150.271) ; v1(76.022,203.127) 76.379,202.77 v1(76.379,201.271) ; v1(76.022,254.127) 76.379,253.77 v1(76.379,252.271) ; v1(111.371,109.66) 116.453,104.578 v1(116.453,103.642) ; v1(111.371,160.66) 116.453,155.578 v1(116.453,154.642) ; v1(111.371,211.66) 116.453,206.578 v1(116.453,205.642) ; v1(111.371,262.66) 116.453,257.578 v1(116.453,256.642) ; v1(114.522,101.127) 114.879,100.77 v1(114.879,99.271) ; v1(114.522,152.127) 114.879,151.77 v1(114.879,150.271) ; v1(114.522,203.127) 114.879,202.77 v1(114.879,201.271) ; v1(114.522,254.127) 114.879,253.77 v1(114.879,252.271) ; v1(149.871,109.66) 154.953,104.578 v1(154.953,103.642) ; v1(149.871,160.66) 154.953,155.578 v1(154.953,154.642) ; v1(149.871,211.66) 154.953,206.578 v1(154.953,205.642) ; v1(149.871,262.66) 154.953,257.578 v1(154.953,256.642) ; v1(153.022,101.127) 153.379,100.77 v1(153.379,99.271) ; v1(153.022,152.127) 153.379,151.77 v1(153.379,150.271) ; v1(153.022,203.127) 153.379,202.77 v1(153.379,201.271) ; v1(153.022,254.127) 153.379,253.77 v1(153.379,252.271) ; v1(188.371,109.66) 193.453,104.578 v1(193.453,103.642) ; v1(188.371,160.66) 193.453,155.578 v1(193.453,154.642) ; v1(188.371,211.66) 193.453,206.578 v1(193.453,205.642) ; v1(188.371,262.66) 193.453,257.578 v1(193.453,256.642) ; v1(191.522,101.127) 191.879,100.77 v1(191.879,99.271) ; v1(191.522,152.127) 191.879,151.77 v1(191.879,150.271) ; v1(191.522,203.127) 191.879,202.77 v1(191.879,201.271) ; v1(191.522,254.127) 191.879,253.77 v1(191.879,252.271) ; v1(226.871,109.66) 231.953,104.578 v1(231.953,103.642) ; v1(226.871,160.66) 231.953,155.578 v1(231.953,154.642) ; v1(226.871,211.66) 231.953,206.578 v1(231.953,205.642) ; v1(226.871,262.66) 231.953,257.578 v1(231.953,256.642) ; v1(230.022,101.127) 230.379,100.77 v1(230.379,99.271) ; v1(230.022,152.127) 230.379,151.77 v1(230.379,150.271) ; v1(230.022,203.127) 230.379,202.77 v1(230.379,201.271) ; v1(230.022,254.127) 230.379,253.77 v1(230.379,252.271)
  other v1: 80.366,88.351 118.866,88.351 157.366,88.351 195.866,88.351 234.366,88.351 81.559,88.529 120.059,88.529 158.559,88.529 197.059,88.529 235.559,88.529 99.365,89.214 137.865,89.214 176.365,89.214 214.865,89.214 253.365,89.214 96.241,90.51 134.741,90.51 173.241,90.51 211.741,90.51 250.241,90.51 93.675,90.713 132.175,90.713 170.675,90.713 209.175,90.713 247.675,90.713 75.413,91.094 113.913,91.094 152.413,91.094 190.913,91.094 229.413,91.094 78.054,93.863 116.554,93.863 155.054,93.863 193.554,93.863 232.054,93.863 93.701,94.066 132.201,94.066 170.701,94.066 209.201,94.066 247.701,94.066 99.924,96.25 138.424,96.25 176.924,96.25 215.424,96.25 253.924,96.25 93.675,96.555 132.175,96.555 170.675,96.555 209.175,96.555 247.675,96.555 80.188,97.927 118.688,97.927 157.188,97.927 195.688,97.927 234.188,97.927 81.661,99.755 120.161,99.755 158.661,99.755 197.161,99.755 235.661,99.755 99.035,100.187 137.535,100.187 176.035,100.187 214.535,100.187 253.035,100.187 92.939,101.381 131.439,101.381 169.939,101.381 208.439,101.381 246.939,101.381 74.549,102.981 113.049,102.981 151.549,102.981 190.049,102.981 228.549,102.981 103.048,107.782 141.548,107.782 180.048,107.782 218.548,107.782 257.048,107.782 99.085,107.833 137.585,107.833 176.085,107.833 214.585,107.833 253.085,107.833 87.909,108.163 126.409,108.163 164.909,108.163 203.409,108.163 241.909,108.163 99.035,109.407 137.535,109.407 176.035,109.407 214.535,109.407 253.035,109.407 87.884,109.687 126.384,109.687 164.884,109.687 203.384,109.687 241.884,109.687 99.085,111.008 137.585,111.008 176.085,111.008 214.585,111.008 253.085,111.008 87.782,111.033 126.282,111.033 164.782,111.033 203.282,111.033 241.782,111.033 93.777,116.342 132.277,116.342 170.777,116.342 209.277,116.342 247.777,116.342 91.872,116.418 130.372,116.418 168.872,116.418 207.372,116.418 245.872,116.418 75.59,116.773 114.09,116.773 152.59,116.773 191.09,116.773 229.59,116.773 93.65,118.856 132.15,118.856 170.65,118.856 209.15,118.856 247.65,118.856 91.948,118.907 130.448,118.907 168.948,118.907 207.448,118.907 245.948,118.907 92.939,120.355 131.439,120.355 169.939,120.355 208.439,120.355 246.939,120.355 77.47,120.533 115.97,120.533 154.47,120.533 192.97,120.533 231.47,120.533 87.859,120.558 126.359,120.558 164.859,120.558 203.359,120.558 241.859,120.558 81.839,120.583 120.339,120.583 158.839,120.583 197.339,120.583 235.839,120.583 80.366,139.351 118.866,139.351 157.366,139.351 195.866,139.351 234.366,139.351 81.559,139.529 120.059,139.529 158.559,139.529 197.059,139.529 235.559,139.529 99.365,140.214 137.865,140.214 176.365,140.214 214.865,140.214 253.365,140.214 96.241,141.51 134.741,141.51 173.241,141.51 211.741,141.51 250.241,141.51 93.675,141.713 132.175,141.713 170.675,141.713 209.175,141.713 247.675,141.713 75.413,142.094 113.913,142.094 152.413,142.094 190.913,142.094 229.413,142.094 78.054,144.863 116.554,144.863 155.054,144.863 193.554,144.863 232.054,144.863 93.701,145.066 132.201,145.066 170.701,145.066 209.201,145.066 247.701,145.066 99.924,147.25 138.424,147.25 176.924,147.25 215.424,147.25 253.924,147.25 93.675,147.555 132.175,147.555 170.675,147.555 209.175,147.555 247.675,147.555 80.188,148.927 118.688,148.927 157.188,148.927 195.688,148.927 234.188,148.927 81.661,150.755 120.161,150.755 158.661,150.755 197.161,150.755 235.661,150.755 99.035,151.187 137.535,151.187 176.035,151.187 214.535,151.187 253.035,151.187 92.939,152.381 131.439,152.381 169.939,152.381 208.439,152.381 246.939,152.381 74.549,153.981 113.049,153.981 151.549,153.981 190.049,153.981 228.549,153.981 103.048,158.782 141.548,158.782 180.048,158.782 218.548,158.782 257.048,158.782 99.085,158.833 137.585,158.833 176.085,158.833 214.585,158.833 253.085,158.833 87.909,159.163 126.409,159.163 164.909,159.163 203.409,159.163 241.909,159.163 99.035,160.407 137.535,160.407 176.035,160.407 214.535,160.407 253.035,160.407 87.884,160.687 126.384,160.687 164.884,160.687 203.384,160.687 241.884,160.687 99.085,162.008 137.585,162.008 176.085,162.008 214.585,162.008 253.085,162.008 87.782,162.033 126.282,162.033 164.782,162.033 203.282,162.033 241.782,162.033 93.777,167.342 132.277,167.342 170.777,167.342 209.277,167.342 247.777,167.342 91.872,167.418 130.372,167.418 168.872,167.418 207.372,167.418 245.872,167.418 75.59,167.773 114.09,167.773 152.59,167.773 191.09,167.773 229.59,167.773 93.65,169.856 132.15,169.856 170.65,169.856 209.15,169.856 247.65,169.856 91.948,169.907 130.448,169.907 168.948,169.907 207.448,169.907 245.948,169.907 92.939,171.355 131.439,171.355 169.939,171.355 208.439,171.355 246.939,171.355 77.47,171.533 115.97,171.533 154.47,171.533 192.97,171.533 231.47,171.533 87.859,171.558 126.359,171.558 164.859,171.558 203.359,171.558 241.859,171.558 81.839,171.583 120.339,171.583 158.839,171.583 197.339,171.583 235.839,171.583 80.366,190.351 118.866,190.351 157.366,190.351 195.866,190.351 234.366,190.351 81.559,190.529 120.059,190.529 158.559,190.529 197.059,190.529 235.559,190.529 99.365,191.214 137.865,191.214 176.365,191.214 214.865,191.214 253.365,191.214 96.241,192.51 134.741,192.51 173.241,192.51 211.741,192.51 250.241,192.51 93.675,192.713 132.175,192.713 170.675,192.713 209.175,192.713 247.675,192.713 75.413,193.094 113.913,193.094 152.413,193.094 190.913,193.094 229.413,193.094 78.054,195.863 116.554,195.863 155.054,195.863 193.554,195.863 232.054,195.863 93.701,196.066 132.201,196.066 170.701,196.066 209.201,196.066 247.701,196.066 99.924,198.25 138.424,198.25 176.924,198.25 215.424,198.25 253.924,198.25 93.675,198.555 132.175,198.555 170.675,198.555 209.175,198.555 247.675,198.555 80.188,199.927 118.688,199.927 157.188,199.927 195.688,199.927 234.188,199.927 81.661,201.755 120.161,201.755 158.661,201.755 197.161,201.755 235.661,201.755 99.035,202.187 137.535,202.187 176.035,202.187 214.535,202.187 253.035,202.187 92.939,203.381 131.439,203.381 169.939,203.381 208.439,203.381 246.939,203.381 74.549,204.981 113.049,204.981 151.549,204.981 190.049,204.981 228.549,204.981 103.048,209.782 141.548,209.782 180.048,209.782 218.548,209.782 257.048,209.782 99.085,209.833 137.585,209.833 176.085,209.833 214.585,209.833 253.085,209.833 87.909,210.163 126.409,210.163 164.909,210.163 203.409,210.163 241.909,210.163 99.035,211.407 137.535,211.407 176.035,211.407 214.535,211.407 253.035,211.407 87.884,211.687 126.384,211.687 164.884,211.687 203.384,211.687 241.884,211.687 99.085,213.008 137.585,213.008 176.085,213.008 214.585,213.008 253.085,213.008 87.782,213.033 126.282,213.033 164.782,213.033 203.282,213.033 241.782,213.033 93.777,218.342 132.277,218.342 170.777,218.342 209.277,218.342 247.777,218.342 91.872,218.418 130.372,218.418 168.872,218.418 207.372,218.418 245.872,218.418 75.59,218.773 114.09,218.773 152.59,218.773 191.09,218.773 229.59,218.773 93.65,220.856 132.15,220.856 170.65,220.856 209.15,220.856 247.65,220.856 91.948,220.907 130.448,220.907 168.948,220.907 207.448,220.907 245.948,220.907 92.939,222.355 131.439,222.355 169.939,222.355 208.439,222.355 246.939,222.355 77.47,222.533 115.97,222.533 154.47,222.533 192.97,222.533 231.47,222.533 87.859,222.558 126.359,222.558 164.859,222.558 203.359,222.558 241.859,222.558 81.839,222.583 120.339,222.583 158.839,222.583 197.339,222.583 235.839,222.583 80.366,241.351 118.866,241.351 157.366,241.351 195.866,241.351 234.366,241.351 81.559,241.529 120.059,241.529 158.559,241.529 197.059,241.529 235.559,241.529 99.365,242.214 137.865,242.214 176.365,242.214 214.865,242.214 253.365,242.214 96.241,243.51 134.741,243.51 173.241,243.51 211.741,243.51 250.241,243.51 93.675,243.713 132.175,243.713 170.675,243.713 209.175,243.713 247.675,243.713 75.413,244.094 113.913,244.094 152.413,244.094 190.913,244.094 229.413,244.094 78.054,246.863 116.554,246.863 155.054,246.863 193.554,246.863 232.054,246.863 93.701,247.066 132.201,247.066 170.701,247.066 209.201,247.066 247.701,247.066 99.924,249.25 138.424,249.25 176.924,249.25 215.424,249.25 253.924,249.25 93.675,249.555 132.175,249.555 170.675,249.555 209.175,249.555 247.675,249.555 80.188,250.927 118.688,250.927 157.188,250.927 195.688,250.927 234.188,250.927 81.661,252.755 120.161,252.755 158.661,252.755 197.161,252.755 235.661,252.755 99.035,253.187 137.535,253.187 176.035,253.187 214.535,253.187 253.035,253.187 92.939,254.381 131.439,254.381 169.939,254.381 208.439,254.381 246.939,254.381 74.549,255.981 113.049,255.981 151.549,255.981 190.049,255.981 228.549,255.981 103.048,260.782 141.548,260.782 180.048,260.782 218.548,260.782 257.048,260.782 99.085,260.833 137.585,260.833 176.085,260.833 214.585,260.833 253.085,260.833 87.909,261.163 126.409,261.163 164.909,261.163 203.409,261.163 241.909,261.163 99.035,262.407 137.535,262.407 176.035,262.407 214.535,262.407 253.035,262.407 87.884,262.687 126.384,262.687 164.884,262.687 203.384,262.687 241.884,262.687 99.085,264.008 137.585,264.008 176.085,264.008 214.585,264.008 253.085,264.008 87.782,264.033 126.282,264.033 164.782,264.033 203.282,264.033 241.782,264.033 93.777,269.342 132.277,269.342 170.777,269.342 209.277,269.342 247.777,269.342 91.872,269.418 130.372,269.418 168.872,269.418 207.372,269.418 245.872,269.418 75.59,269.773 114.09,269.773 152.59,269.773 191.09,269.773 229.59,269.773 93.65,271.856 132.15,271.856 170.65,271.856 209.15,271.856 247.65,271.856 91.948,271.907 130.448,271.907 168.948,271.907 207.448,271.907 245.948,271.907 92.939,273.355 131.439,273.355 169.939,273.355 208.439,273.355 246.939,273.355 77.47,273.533 115.97,273.533 154.47,273.533 192.97,273.533 231.47,273.533 87.859,273.558 126.359,273.558 164.859,273.558 203.359,273.558 241.859,273.558 81.839,273.583 120.339,273.583 158.839,273.583 197.339,273.583 235.839,273.583

## Polygon pours and split planes (outlines as drawn)
no net on Top Layer "GND" (solid, remove dead copper, pour order 4): 222.58,280.035 258.08,280.035 258.08,232.035 222.58,232.035
no net on Top Layer "GND" (solid, remove dead copper, pour order 4): 222.58,229.035 258.08,229.035 258.08,181.035 222.58,181.035
no net on Top Layer "GND" (solid, remove dead copper, pour order 4): 222.58,178.035 258.08,178.035 258.08,130.035 222.58,130.035
no net on Top Layer "GND" (solid, remove dead copper, pour order 4): 222.58,127.035 258.08,127.035 258.08,79.035 222.58,79.035
no net on Top Layer "GND" (solid, remove dead copper, pour order 4): 184.08,280.035 219.58,280.035 219.58,232.035 184.08,232.035
no net on Top Layer "GND" (solid, remove dead copper, pour order 4): 184.08,229.035 219.58,229.035 219.58,181.035 184.08,181.035
no net on Top Layer "GND" (solid, remove dead copper, pour order 4): 184.08,178.035 219.58,178.035 219.58,130.035 184.08,130.035
no net on Top Layer "GND" (solid, remove dead copper, pour order 4): 184.08,127.035 219.58,127.035 219.58,79.035 184.08,79.035
no net on Top Layer "GND" (solid, remove dead copper, pour order 4): 145.58,280.035 181.08,280.035 181.08,232.035 145.58,232.035
no net on Top Layer "GND" (solid, remove dead copper, pour order 4): 145.58,229.035 181.08,229.035 181.08,181.035 145.58,181.035
no net on Top Layer "GND" (solid, remove dead copper, pour order 4): 145.58,178.035 181.08,178.035 181.08,130.035 145.58,130.035
no net on Top Layer "GND" (solid, remove dead copper, pour order 4): 145.58,127.035 181.08,127.035 181.08,79.035 145.58,79.035
no net on Top Layer "GND" (solid, remove dead copper, pour order 4): 107.08,280.035 142.58,280.035 142.58,232.035 107.08,232.035
no net on Top Layer "GND" (solid, remove dead copper, pour order 4): 107.08,229.035 142.58,229.035 142.58,181.035 107.08,181.035
no net on Top Layer "GND" (solid, remove dead copper, pour order 4): 107.08,178.035 142.58,178.035 142.58,130.035 107.08,130.035
no net on Top Layer "GND" (solid, remove dead copper, pour order 4): 107.08,127.035 142.58,127.035 142.58,79.035 107.08,79.035
no net on Top Layer "GND" (solid, remove dead copper, pour order 4): 68.58,280.035 104.08,280.035 104.08,232.035 68.58,232.035
no net on Top Layer "GND" (solid, remove dead copper, pour order 4): 68.58,229.035 104.08,229.035 104.08,181.035 68.58,181.035
no net on Top Layer "GND" (solid, remove dead copper, pour order 4): 68.58,178.035 104.08,178.035 104.08,130.035 68.58,130.035
no net on Top Layer "GND" (solid, remove dead copper, pour order 4): 68.58,127.035 104.08,127.035 104.08,79.035 68.58,79.035
no net on Bottom Layer "GND" (solid, remove dead copper, pour order 3): 222.58,280.035 258.08,280.035 258.08,232.035 222.58,232.035
no net on Bottom Layer "GND" (solid, remove dead copper, pour order 3): 222.58,229.035 258.08,229.035 258.08,181.035 222.58,181.035
no net on Bottom Layer "GND" (solid, remove dead copper, pour order 3): 222.58,178.035 258.08,178.035 258.08,130.035 222.58,130.035
no net on Bottom Layer "GND" (solid, remove dead copper, pour order 3): 222.58,127.035 258.08,127.035 258.08,79.035 222.58,79.035
no net on Bottom Layer "GND" (solid, remove dead copper, pour order 3): 184.08,280.035 219.58,280.035 219.58,232.035 184.08,232.035
no net on Bottom Layer "GND" (solid, remove dead copper, pour order 3): 184.08,229.035 219.58,229.035 219.58,181.035 184.08,181.035
no net on Bottom Layer "GND" (solid, remove dead copper, pour order 3): 184.08,178.035 219.58,178.035 219.58,130.035 184.08,130.035
no net on Bottom Layer "GND" (solid, remove dead copper, pour order 3): 184.08,127.035 219.58,127.035 219.58,79.035 184.08,79.035
no net on Bottom Layer "GND" (solid, remove dead copper, pour order 3): 145.58,280.035 181.08,280.035 181.08,232.035 145.58,232.035